# KiCad board conceptpcb.kicad_pcb (continued)
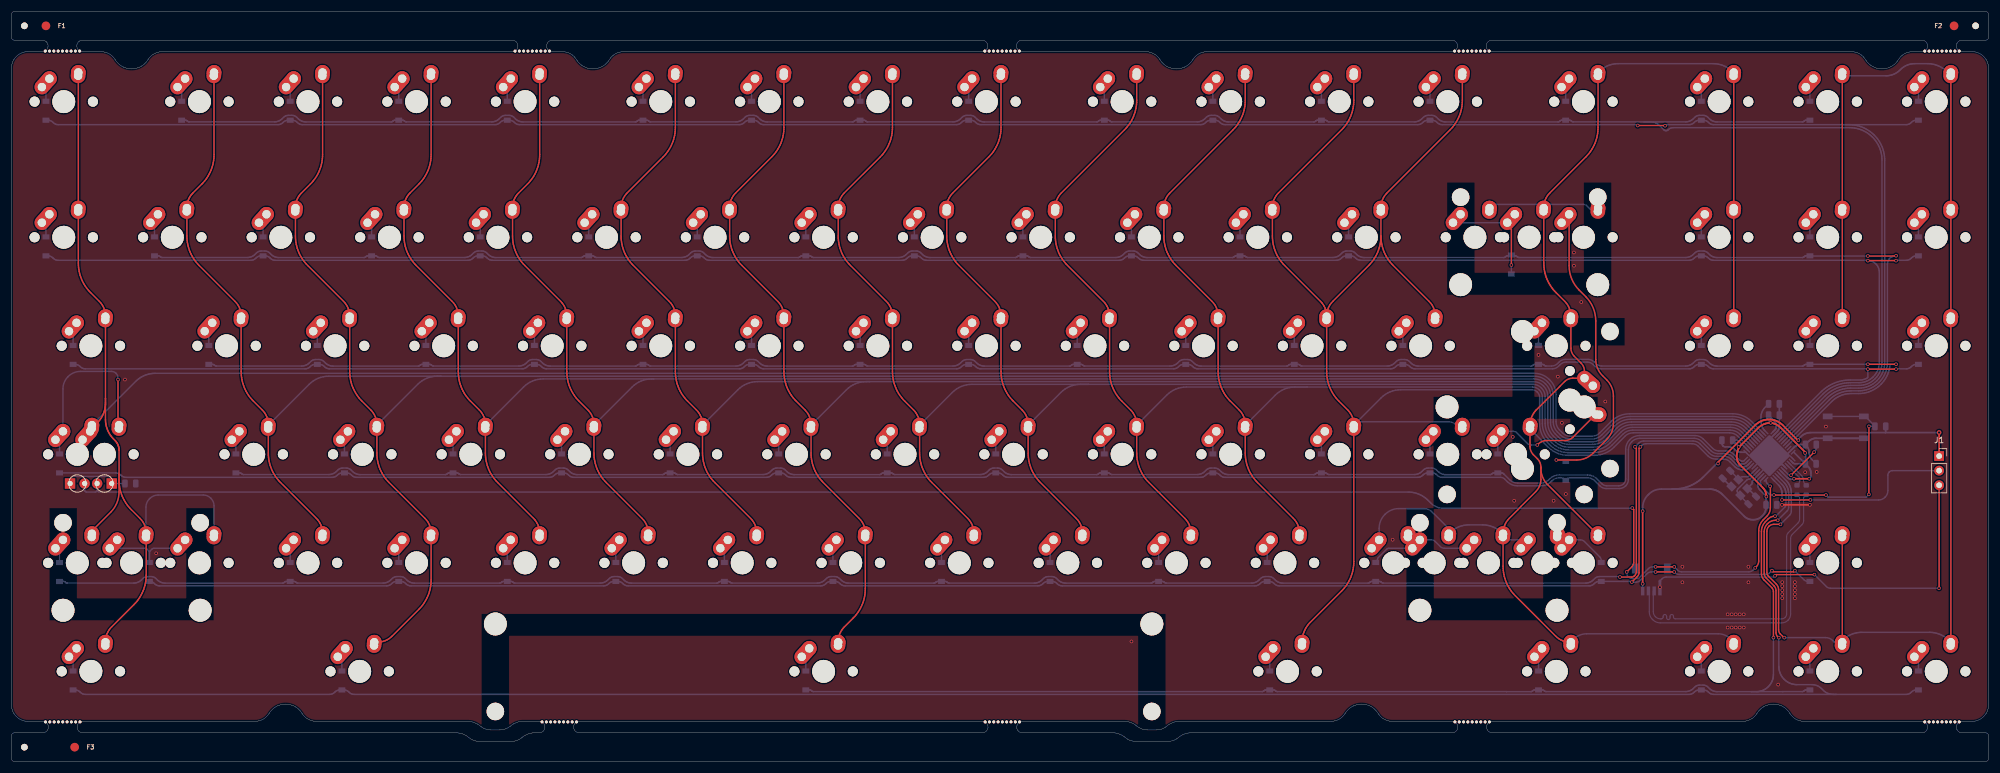
[diagram p0: board, top side]
## Routing (per net, layer and track width the routed paths; a pad name or vN(x,y) marks a point on that pad's centre or on a via; arc(x,y) is an arc through that point) (continued)
col7: length 312.3
  Top w0.25: 266.79,96.38 266.79,86.8 266.8,86.44 266.82,86.09 266.87,85.73 266.93,85.38 267.01,85.04 267.1,84.69 267.21,84.36 267.34,84.02 267.49,83.7 267.65,83.38 267.82,83.07 268.01,82.77 268.22,82.48 268.43,82.2 268.67,81.93 268.91,81.67 270.45,80.13 270.69,79.87 270.9,79.58 271.09,79.28 271.24,78.96 271.36,78.62 271.45,78.28 ; 259.77,40.48 259.86,40.82 259.98,41.16 260.13,41.48 260.31,41.78 260.52,42.07 260.76,42.33 262.31,43.87 262.55,44.13 262.78,44.4 265.41,47.03 arc(266.06,48) 266.29,49.15 266.29,51.29 ; MX_rshift1.2 259.7,34 259.71,33.65 259.74,33.29 259.78,32.94 259.84,32.59 259.92,32.24 260.01,31.9 260.13,31.56 260.25,31.23 260.4,30.9 260.56,30.59 260.73,30.28 260.92,29.98 261.13,29.69 261.35,29.41 261.58,29.14 261.82,28.88 268.86,21.84 269.13,21.6 269.41,21.39 269.72,21.21 270.04,21.06 270.37,20.94 270.72,20.85 ; MX_rtab_1.2 271.52,71.99 arc(271.67,71.22) 272.1,70.58 273.29,69.38 arc(273.73,68.74) 273.88,67.97 MX_enter2.2 271.83,66.76 arc(271.07,66.61) 270.42,66.17 269.64,65.39 269.39,65.14 265.49,61.23 265.25,60.97 265.04,60.68 264.86,60.38 264.7,60.06 264.58,59.72 264.5,59.38 ; MX_enter1.2 264.39,54.85 arc(264.54,54.09) 264.97,53.44 265.7,52.71 arc(266.14,52.06) 266.29,51.29 ; MX47.2 MX31.2 MX15.2 ; 266.29,51.29 266.29,51.06 arc(266.59,49.52) 267.46,48.23 276.2,39.49 ; 266.95,97.52 267.07,97.86 267.22,98.18 267.4,98.48 267.61,98.77 267.85,99.03 274.12,105.3 274.36,105.56 274.6,105.83 274.81,106.11 275.02,106.4 275.21,106.7 275.38,107.01 275.54,107.32 275.69,107.65 275.82,107.98 275.93,108.32 276.02,108.66 276.1,109.01 276.16,109.36 276.21,109.71 276.23,110.07 276.24,110.42 MX14.2
  Bottom w0.25: 266.94,97.03 257.49,97.03 ; 267.42,97.03 273.64,97.03 arc(274.02,96.95) 274.35,96.74 275.28,95.8 ; 299.15,120.59 298.95,120.73 298.75,120.85 298.55,120.97 298.33,121.08 298.12,121.17 297.9,121.26 297.67,121.33 297.44,121.4 297.21,121.45 296.98,121.49 296.74,121.52 296.51,121.53 296.27,121.54 279.78,121.54 279.54,121.53 279.3,121.52 279.07,121.49 278.83,121.45 278.6,121.4 278.37,121.33 278.15,121.26 277.93,121.17 277.71,121.08 277.5,120.97 277.29,120.85 277.09,120.73 ; MX_rshift1.2 260.78,38.6 MX_splitrshiftISO2.1 ; 251.1,40.4 251.31,40.53 251.51,40.64 251.72,40.75 251.94,40.85 252.16,40.93 252.39,41.01 252.61,41.07 252.85,41.12 253.08,41.16 253.31,41.19 253.55,41.21 253.79,41.22 256.11,41.22 256.34,41.21 256.58,41.19 256.82,41.16 257.05,41.12 257.28,41.07 257.51,41.01 257.73,40.93 257.96,40.85 258.17,40.75 258.38,40.64 258.59,40.53 258.79,40.4 258.98,40.26 ; MX_splitrshiftISO1.1 238.12,40.61 arc(238.38,41.92) 239.12,43.02 239.16,43.05 arc(240.26,43.79) 241.56,44.05 245.94,44.05 arc(246.7,43.9) 247.35,43.46 250.21,40.61 ; 264.66,57.67 267.61,54.73 arc(269.16,53.69) 271,53.32 275.61,53.32 arc(277.45,53.69) 279,54.73 280.94,56.66 arc(281.59,57.1) 282.35,57.25 299.16,57.25 arc(299.92,57.1) 300.57,56.66 U1.25 ; 272.1,21.37 arc(273.07,22.02) 274.22,22.25 297.16,22.25 arc(298.31,22.02) 299.28,21.37
col8: length 240.8
  Top w0.25: v1(308.67,21.58) 308.6,21.58 307.97,22.22 arc(307.75,22.54) 307.68,22.93 307.68,29.93 arc(307.57,30.46) 307.26,30.92 305.93,32.26 arc(305.71,32.58) 305.63,32.96 305.63,40.1 arc(305.73,40.56) 305.99,40.95 305.99,40.96 arc(306.38,41.22) 306.84,41.31 v1(308,41.31) ; MX48.2 MX32.2 MX16.2 ; MX17.2 MX33.2 MX49.2 MX84.2 ; MX74.2 MX83.2
  Bottom w0.25: v1(308.67,21.58) 315.85,21.58 arc(316.54,21.45) 317.13,21.06 317.4,20.78 MX83.2 ; 336.82,21.55 336.63,21.69 336.43,21.81 336.22,21.93 336.01,22.04 335.79,22.13 335.57,22.22 335.35,22.29 335.12,22.36 334.89,22.41 334.65,22.45 334.42,22.48 334.18,22.49 333.95,22.5 322.19,22.5 321.95,22.49 321.71,22.48 321.48,22.45 321.25,22.41 321.01,22.36 320.79,22.29 320.56,22.22 320.34,22.13 320.12,22.04 319.91,21.93 319.71,21.81 319.5,21.69 319.31,21.55 ; U1.8 308.97,48.96 309.08,48.85 309.18,48.74 309.28,48.61 309.36,48.49 309.45,48.36 309.52,48.22 309.59,48.09 309.65,47.95 309.71,47.8 309.76,47.66 309.8,47.51 309.83,47.36 309.86,47.21 309.88,47.05 309.89,46.9 309.89,46.75 309.89,43.61 arc(309.82,43.23) 309.6,42.91 v1(308,41.31) ; 336.66,120.44 336.47,120.59 336.28,120.73 336.08,120.85 335.87,120.97 335.66,121.08 335.45,121.17 335.22,121.26 335,121.33 334.77,121.4 334.54,121.45 334.31,121.49 334.07,121.52 333.83,121.53 333.6,121.54 331.38,121.54 331.21,121.54 331.03,121.52 330.86,121.5 330.69,121.47 330.53,121.44 330.36,121.39 330.2,121.34 330.04,121.27 329.88,121.2 329.73,121.13 329.58,121.04 329.43,120.95 329.29,120.85 329.16,120.75 329.03,120.63 328.9,120.51 328.84,120.45 328.71,120.33 328.58,120.22 328.45,120.11 328.31,120.01 328.16,119.92 328.01,119.84 327.86,119.76 327.7,119.69 327.54,119.63 327.38,119.58 327.21,119.53 327.05,119.49 326.88,119.46 326.71,119.44 326.53,119.43 326.36,119.42 MX16.2
D+: length 52.1
  Bottom w0.2: J2.3 285.86,29.56 285.86,26.09 arc(285.95,25.63) 286.21,25.24 286.25,25.2 arc(286.64,24.94) 287.1,24.85 287.28,24.85 arc(287.49,24.94) 287.58,25.15 287.58,25.3 arc(287.66,25.51) 287.88,25.6 arc(288.09,25.51) 288.18,25.3 288.18,25.03 arc(288.26,24.81) 288.48,24.72 arc(288.69,24.81) 288.78,25.03 288.78,25.3 arc(288.86,25.51) 289.08,25.6 arc(289.29,25.51) 289.38,25.3 289.38,25.15 arc(289.46,24.94) 289.68,24.85 308.24,24.85 arc(308.54,24.91) 308.8,25.08 308.84,25.12 arc(309.01,25.38) 309.07,25.69 309.07,39.14 arc(309.15,39.53) 309.36,39.85 311.04,41.53 arc(311.26,41.85) 311.33,42.24 311.33,45.99 R3.2
D-: length 52.1
  Bottom w0.2: J2.2 285.16,29.56 285.16,26.05 arc(285.3,25.36) 285.69,24.77 285.78,24.68 arc(286.37,24.29) 287.06,24.15 308.24,24.15 arc(308.81,24.26) 309.3,24.59 309.33,24.62 arc(309.66,25.11) 309.77,25.69 309.77,38.85 arc(309.85,39.24) 310.06,39.56 311.74,41.24 arc(311.96,41.56) 312.03,41.95 312.03,45.99 R4.2
RGBLED: length 35.6
  Top w0.25: v1(308.28,45.55) v1(313.21,45.55)
  Bottom w0.25: v1(313.21,45.55) 325.08,45.55 arc(325.69,45.67) 326.21,46.02 326.24,46.05 arc(326.58,46.57) 326.7,47.18 326.7,49.87 arc(326.76,50.16) 326.92,50.4 326.97,50.44 arc(327.21,50.6) 327.5,50.66 J1.2 ; U1.11 307.67,48.15 307.74,48.07 307.81,48 307.87,47.92 307.93,47.84 307.98,47.75 308.03,47.66 308.07,47.57 308.11,47.48 308.15,47.39 308.18,47.29 308.21,47.19 308.23,47.1 308.25,47 308.26,46.9 308.27,46.8 308.27,46.7 308.27,45.55 v1(308.28,45.55)
row0: length 393.4
  Top w0.25: v1(283.15,110.77) 287.88,110.77
  Bottom w0.25: 86.68,111.69 86.91,111.67 87.14,111.6 87.35,111.49 87.53,111.34 87.6,111.27 87.78,111.12 87.99,111.01 88.22,110.94 88.45,110.92 126.73,110.92 126.96,110.94 127.19,111.01 127.4,111.12 127.58,111.27 127.65,111.34 127.83,111.49 128.04,111.6 128.27,111.67 128.5,111.69 ; 319.38,110.92 319.95,110.92 320.25,110.91 320.56,110.89 320.86,110.85 321.15,110.8 321.45,110.73 321.74,110.65 322.03,110.56 322.31,110.45 322.58,110.32 322.85,110.19 323.12,110.04 323.37,109.88 323.62,109.7 323.86,109.52 324.09,109.32 324.31,109.11 324.34,109.07 324.55,108.85 324.75,108.63 324.94,108.39 325.11,108.14 325.27,107.89 325.42,107.62 325.56,107.35 325.68,107.08 325.79,106.79 325.88,106.51 325.96,106.22 326.03,105.92 326.08,105.62 326.12,105.32 326.14,105.02 326.15,104.72 326.15,69.53 326.13,69.09 326.06,68.65 325.96,68.23 325.81,67.82 325.62,67.42 325.39,67.04 325.13,66.69 324.84,66.37 324.81,66.34 324.48,66.04 324.13,65.78 323.76,65.56 323.36,65.37 322.95,65.22 322.52,65.11 322.09,65.05 321.65,65.03 320.24,65.03 319.95,65.02 319.67,65 319.39,64.97 319.11,64.92 318.83,64.86 318.55,64.78 318.28,64.69 318.02,64.59 317.76,64.47 317.51,64.34 317.26,64.2 317.02,64.05 316.78,63.89 316.56,63.71 316.35,63.53 316.14,63.33 U1.39 ; 319.38,110.92 296.35,110.92 296.12,110.94 295.89,111.01 295.68,111.12 295.5,111.27 295.43,111.34 295.25,111.49 295.04,111.6 294.81,111.67 294.58,111.69 ; 319.38,110.92 329.9,110.92 330.14,110.94 330.36,111.01 330.57,111.12 330.75,111.27 330.82,111.34 331,111.49 331.21,111.6 331.44,111.67 331.68,111.69 ; 293.88,111.69 293.64,111.67 293.41,111.6 293.2,111.49 293.02,111.34 292.95,111.27 292.77,111.12 292.56,111.01 292.34,110.94 292.1,110.92 288.02,110.92 287.88,110.77 ; 247.33,111.69 247.56,111.67 247.79,111.6 248,111.49 248.18,111.34 248.25,111.27 248.43,111.12 248.64,111.01 248.87,110.94 249.1,110.92 282.9,110.92 283.05,110.77 v1(283.15,110.77) ; 167,111.69 167.24,111.67 167.46,111.6 167.67,111.49 167.85,111.34 167.92,111.27 168.1,111.12 168.31,111.01 168.54,110.94 168.78,110.92 207.05,110.92 207.29,110.94 207.51,111.01 207.72,111.12 207.9,111.27 207.97,111.34 208.15,111.49 208.36,111.6 208.59,111.67 208.83,111.69 ; 48.18,111.69 47.94,111.67 47.71,111.6 47.5,111.49 47.32,111.34 47.25,111.27 47.07,111.12 46.86,111.01 46.64,110.94 46.4,110.92 8.13,110.92 7.89,110.94 7.66,111.01 7.45,111.12 7.27,111.27 7.2,111.34 7.02,111.49 6.81,111.6 6.59,111.67 6.35,111.69 ; 129.2,111.69 129.44,111.67 129.66,111.6 129.87,111.49 130.05,111.34 130.12,111.27 130.3,111.12 130.51,111.01 130.74,110.94 130.98,110.92 164.53,110.92 164.76,110.94 164.99,111.01 165.2,111.12 165.38,111.27 165.45,111.34 165.63,111.49 165.84,111.6 166.07,111.67 166.3,111.69 ; 85.98,111.69 85.74,111.67 85.51,111.6 85.3,111.49 85.12,111.34 85.05,111.27 84.87,111.12 84.66,111.01 84.44,110.94 84.2,110.92 50.65,110.92 50.42,110.94 50.19,111.01 49.98,111.12 49.8,111.27 49.73,111.34 49.55,111.49 49.34,111.6 49.11,111.67 48.88,111.69 ; 209.53,111.69 209.76,111.67 209.99,111.6 210.2,111.49 210.38,111.34 210.45,111.27 210.63,111.12 210.84,111.01 211.07,110.94 211.3,110.92 244.85,110.92 245.09,110.94 245.31,111.01 245.52,111.12 245.7,111.27 245.77,111.34 245.95,111.49 246.16,111.6 246.39,111.67 246.63,111.69
  vias: v1(287.91,110.72)
row1: length 393.4
  Bottom w0.25: D17.1 312.48,111.69 312.38,111.68 312.29,111.65 312.21,111.61 312.13,111.55 312.12,111.53 312.04,111.47 311.96,111.43 311.87,111.4 311.78,111.39 296.98,111.39 296.79,111.4 296.6,111.43 296.41,111.47 296.24,111.54 296.07,111.62 295.9,111.72 295.75,111.83 295.61,111.96 295.38,112.18 295.2,112.33 294.99,112.44 294.77,112.51 294.53,112.54 293.92,112.54 293.69,112.51 293.46,112.44 293.25,112.33 293.07,112.18 292.85,111.97 292.71,111.84 292.56,111.73 292.4,111.63 292.22,111.55 292.05,111.48 291.86,111.44 291.67,111.41 291.49,111.4 284.26,111.4 ; U1.38 315.76,63.66 315.99,63.88 316.22,64.08 316.46,64.27 316.71,64.44 316.97,64.61 317.24,64.76 317.52,64.9 317.8,65.02 318.09,65.13 318.38,65.23 318.68,65.31 318.98,65.38 319.28,65.43 319.59,65.47 319.89,65.49 320.2,65.5 321.69,65.5 322.08,65.52 322.46,65.58 322.83,65.67 323.19,65.8 323.54,65.96 323.87,66.16 324.17,66.39 324.46,66.65 324.53,66.72 324.79,67 325.02,67.31 325.21,67.64 325.38,67.99 325.51,68.35 325.6,68.72 325.66,69.1 325.68,69.48 325.68,104.78 325.67,105.05 325.65,105.33 325.61,105.6 325.57,105.86 325.51,106.13 325.44,106.39 325.35,106.65 325.25,106.91 325.14,107.16 325.02,107.4 324.89,107.64 324.74,107.87 324.58,108.09 324.41,108.3 324.24,108.51 324.05,108.71 323.99,108.76 323.8,108.95 323.59,109.13 323.38,109.3 323.15,109.45 322.92,109.6 322.69,109.73 322.44,109.86 322.19,109.97 321.94,110.06 321.68,110.15 321.42,110.22 321.15,110.28 320.88,110.33 320.61,110.36 320.34,110.38 320.07,110.39 289.31,110.39 289.08,110.37 288.85,110.3 288.64,110.19 288.46,110.04 288.44,110.01 288.36,109.95 288.28,109.91 288.19,109.88 288.1,109.87 288.04,109.87 287.95,109.88 287.86,109.91 287.78,109.95 287.7,110.01 286.92,110.8 286.61,111.05 286.25,111.24 285.87,111.36 285.47,111.4 284.26,111.4 ; 284.26,111.4 271.94,111.4 271.85,111.41 271.76,111.44 271.67,111.48 271.6,111.54 271.59,111.55 271.52,111.61 271.44,111.65 271.34,111.68 271.25,111.69 D15.1 269.95,111.69 269.86,111.68 269.77,111.65 269.68,111.61 269.61,111.55 269.59,111.53 269.52,111.47 269.44,111.43 269.34,111.4 269.25,111.39 249.73,111.39 249.54,111.4 249.35,111.43 249.16,111.47 248.99,111.54 248.82,111.62 248.65,111.72 248.5,111.83 248.36,111.96 248.13,112.18 247.95,112.33 247.74,112.44 247.52,112.51 247.28,112.54 246.67,112.54 246.44,112.51 246.21,112.44 246,112.33 245.82,112.18 245.6,111.97 245.46,111.84 245.31,111.73 245.15,111.63 244.97,111.55 244.8,111.48 244.61,111.44 244.42,111.41 244.23,111.4 229.42,111.4 229.32,111.41 229.23,111.44 229.15,111.48 229.07,111.54 229.07,111.55 228.99,111.61 228.91,111.65 228.82,111.68 228.73,111.69 D13.1 227.43,111.69 227.33,111.68 227.24,111.65 227.16,111.61 227.08,111.55 227.07,111.53 226.99,111.47 226.91,111.43 226.82,111.4 226.73,111.39 211.93,111.39 211.74,111.4 211.55,111.43 211.36,111.47 211.19,111.54 211.02,111.62 210.85,111.72 210.7,111.83 210.56,111.96 210.33,112.18 210.15,112.33 209.94,112.44 209.72,112.51 209.48,112.54 208.87,112.54 208.64,112.51 208.41,112.44 208.2,112.33 208.02,112.18 207.8,111.97 207.66,111.84 207.51,111.73 207.35,111.63 207.17,111.55 207,111.48 206.81,111.44 206.62,111.41 206.44,111.4 191.62,111.4 191.52,111.41 191.43,111.44 191.35,111.48 191.27,111.54 191.27,111.55 191.19,111.61 191.11,111.65 191.02,111.68 190.93,111.69 D11.1 189.63,111.69 189.53,111.68 189.44,111.65 189.36,111.61 189.28,111.55 189.27,111.53 189.19,111.47 189.11,111.43 189.02,111.4 188.93,111.39 169.4,111.39 169.21,111.4 169.02,111.43 168.84,111.47 168.66,111.54 168.49,111.62 168.33,111.72 168.18,111.83 168.03,111.96 167.81,112.18 167.63,112.33 167.42,112.44 167.19,112.51 166.96,112.54 166.35,112.54 166.11,112.51 165.88,112.44 165.68,112.33 165.49,112.18 165.28,111.97 165.14,111.84 164.98,111.73 164.82,111.63 164.65,111.55 164.47,111.48 164.29,111.44 164.1,111.41 163.91,111.4 149.09,111.4 149,111.41 148.91,111.44 148.82,111.48 148.75,111.54 148.74,111.55 148.67,111.61 148.59,111.65 148.49,111.68 148.4,111.69 D9.1 147.1,111.69 147.01,111.68 146.92,111.65 146.83,111.61 146.76,111.55 146.74,111.53 146.67,111.47 146.59,111.43 146.49,111.4 146.4,111.39 131.6,111.39 131.41,111.4 131.22,111.43 131.04,111.47 130.86,111.54 130.69,111.62 130.53,111.72 130.38,111.83 130.23,111.96 130.01,112.18 129.83,112.33 129.62,112.44 129.39,112.51 129.16,112.54 128.55,112.54 128.31,112.51 128.08,112.44 127.88,112.33 127.69,112.18 127.48,111.97 127.34,111.84 127.18,111.73 127.02,111.63 126.85,111.55 126.67,111.48 126.49,111.44 126.3,111.41 126.11,111.4 111.29,111.4 111.2,111.41 111.11,111.44 111.02,111.48 110.95,111.54 110.94,111.55 110.87,111.61 110.79,111.65 110.69,111.68 110.6,111.69 D7.1 109.3,111.69 109.21,111.68 109.12,111.65 109.03,111.61 108.96,111.55 108.94,111.53 108.87,111.47 108.79,111.43 108.69,111.4 108.6,111.39 89.08,111.39 88.89,111.4 88.7,111.43 88.51,111.47 88.34,111.54 88.17,111.62 88,111.72 87.85,111.83 87.71,111.96 87.48,112.18 87.3,112.33 87.09,112.44 86.87,112.51 86.63,112.54 86.02,112.54 85.79,112.51 85.56,112.44 85.35,112.33 85.17,112.18 84.95,111.97 84.81,111.84 84.66,111.73 84.5,111.63 84.32,111.55 84.15,111.48 83.96,111.44 83.77,111.41 83.58,111.4 68.77,111.4 68.67,111.41 68.58,111.44 68.5,111.48 68.42,111.54 68.42,111.55 68.34,111.61 68.26,111.65 68.17,111.68 68.08,111.69 D5.1 66.78,111.69 66.68,111.68 66.59,111.65 66.51,111.61 66.43,111.55 66.42,111.53 66.34,111.47 66.26,111.43 66.17,111.4 66.08,111.39 51.28,111.39 51.09,111.4 50.9,111.43 50.71,111.47 50.54,111.54 50.37,111.62 50.2,111.72 50.05,111.83 49.91,111.96 49.68,112.18 49.5,112.33 49.29,112.44 49.07,112.51 48.83,112.54 48.22,112.54 47.99,112.51 47.76,112.44 47.55,112.33 47.37,112.18 47.15,111.97 47.01,111.84 46.86,111.73 46.7,111.63 46.52,111.55 46.35,111.48 46.16,111.44 45.97,111.41 45.78,111.4 30.97,111.4 30.87,111.41 30.78,111.44 30.7,111.48 30.62,111.54 30.62,111.55 30.54,111.61 30.46,111.65 30.37,111.68 30.28,111.69 D3.1
row2: length 365.9
  Top w0.25: v1(328.13,87.24) v1(323.22,87.24)
  Bottom w0.25: 195.35,88.07 195.59,88.04 195.81,87.97 196.02,87.86 196.2,87.71 196.27,87.64 196.45,87.49 196.66,87.38 196.89,87.31 197.13,87.29 230.68,87.29 230.91,87.31 231.14,87.38 231.35,87.49 231.53,87.64 231.6,87.71 231.78,87.86 231.99,87.97 232.22,88.04 232.45,88.07 ; 331.68,88.07 331.44,88.04 331.21,87.97 331,87.86 330.82,87.71 330.75,87.64 330.57,87.49 330.36,87.38 330.14,87.31 329.9,87.29 328.19,87.29 v1(328.13,87.24) ; 119.05,88.07 118.82,88.04 118.59,87.97 118.38,87.86 118.2,87.71 118.13,87.64 117.95,87.49 117.74,87.38 117.51,87.31 117.28,87.29 83.73,87.29 83.49,87.31 83.26,87.38 83.05,87.49 82.87,87.64 82.8,87.71 82.62,87.86 82.41,87.97 82.19,88.04 81.95,88.07 ; U1.37 315.39,63.99 315.63,64.22 315.88,64.44 316.14,64.64 316.41,64.83 316.69,65.01 316.98,65.18 317.28,65.32 317.58,65.46 317.89,65.58 318.21,65.68 318.52,65.77 318.85,65.84 319.18,65.9 319.5,65.94 319.84,65.97 320.17,65.97 321.67,65.97 322.02,65.99 322.36,66.04 322.69,66.12 323.01,66.24 323.32,66.39 323.62,66.56 323.89,66.77 324.15,67 324.18,67.03 324.41,67.28 324.61,67.56 324.79,67.85 324.94,68.16 325.05,68.49 325.14,68.82 325.19,69.16 325.2,69.5 325.2,85.26 325.19,85.51 325.14,85.77 325.05,86.01 324.94,86.25 324.79,86.46 324.62,86.66 324.43,86.83 324.21,86.97 323.98,87.09 323.73,87.17 323.48,87.22 323.22,87.24 ; 44.15,88.07 44.39,88.04 44.61,87.97 44.82,87.86 45,87.71 45.07,87.64 45.25,87.49 45.46,87.38 45.69,87.31 45.93,87.29 79.48,87.29 79.71,87.31 79.94,87.38 80.15,87.49 80.33,87.64 80.4,87.71 80.58,87.86 80.79,87.97 81.02,88.04 81.25,88.07 ; 194.65,88.07 194.42,88.04 194.19,87.97 193.98,87.86 193.8,87.71 193.73,87.64 193.55,87.49 193.34,87.38 193.11,87.31 192.88,87.29 159.33,87.29 159.09,87.31 158.86,87.38 158.65,87.49 158.47,87.64 158.4,87.71 158.22,87.86 158.01,87.97 157.79,88.04 157.55,88.07 ; 293.88,88.07 293.64,88.04 293.41,87.97 293.2,87.86 293.02,87.71 292.95,87.64 292.77,87.49 292.56,87.38 292.34,87.31 292.1,87.29 234.93,87.29 234.69,87.31 234.46,87.38 234.25,87.49 234.07,87.64 234,87.71 233.82,87.86 233.61,87.97 233.39,88.04 233.15,88.07 ; 6.35,88.07 6.59,88.04 6.81,87.97 7.02,87.86 7.2,87.71 7.27,87.64 7.45,87.49 7.66,87.38 7.89,87.31 8.13,87.29 41.68,87.29 41.91,87.31 42.14,87.38 42.35,87.49 42.53,87.64 42.6,87.71 42.78,87.86 42.99,87.97 43.22,88.04 43.45,88.07 ; 294.58,88.07 294.81,88.04 295.04,87.97 295.25,87.86 295.43,87.71 295.5,87.64 295.68,87.49 295.89,87.38 296.12,87.31 296.35,87.29 323.17,87.29 323.22,87.24 ; 156.85,88.07 156.62,88.04 156.39,87.97 156.18,87.86 156,87.71 155.93,87.64 155.75,87.49 155.54,87.38 155.31,87.31 155.08,87.29 121.53,87.29 121.29,87.31 121.06,87.38 120.85,87.49 120.67,87.64 120.6,87.71 120.42,87.86 120.21,87.97 119.99,88.04 119.75,88.07 ; v1(323.22,87.24) 323.22,87.24
row3: length 352.7
  Top w0.25: v1(323.22,88.04) 328.08,88.04
  Bottom w0.25: D34.1 312.48,88.07 312.38,88.06 312.29,88.03 312.21,87.98 312.13,87.92 312.12,87.91 312.04,87.85 311.96,87.8 311.87,87.77 311.78,87.77 296.98,87.77 296.79,87.77 296.6,87.8 296.41,87.85 296.24,87.91 296.07,87.99 295.9,88.09 295.75,88.2 295.61,88.33 295.38,88.56 295.2,88.71 294.99,88.82 294.77,88.89 294.53,88.91 293.92,88.91 293.69,88.89 293.46,88.82 293.25,88.71 293.07,88.56 292.85,88.34 292.71,88.21 292.56,88.1 292.4,88 292.22,87.92 292.05,87.86 291.86,87.81 291.67,87.78 291.49,87.78 262.49,87.78 262.4,87.78 262.31,87.81 262.22,87.86 262.15,87.92 262.14,87.92 262.07,87.98 261.99,88.03 261.89,88.06 261.8,88.07 260.5,88.07 260.41,88.06 260.32,88.03 260.23,87.98 260.16,87.92 260.14,87.91 260.07,87.85 259.99,87.8 259.89,87.77 259.8,87.77 235.55,87.77 235.36,87.77 235.17,87.8 234.99,87.85 234.81,87.91 234.64,87.99 234.48,88.09 234.33,88.2 234.18,88.33 233.96,88.56 233.78,88.71 233.57,88.82 233.34,88.89 233.11,88.91 232.5,88.91 232.26,88.89 232.03,88.82 231.83,88.71 231.64,88.56 231.43,88.34 231.29,88.21 231.13,88.1 230.97,88 230.8,87.92 230.62,87.86 230.44,87.81 230.25,87.78 230.06,87.78 215.24,87.78 215.15,87.78 215.06,87.81 214.97,87.86 214.9,87.92 214.89,87.92 214.82,87.98 214.74,88.03 214.64,88.06 214.55,88.07 D30.1 213.25,88.07 213.16,88.06 213.07,88.03 212.98,87.98 212.91,87.92 212.89,87.91 212.82,87.85 212.74,87.8 212.64,87.77 212.55,87.77 197.75,87.77 197.56,87.77 197.37,87.8 197.19,87.85 197.01,87.91 196.84,87.99 196.68,88.09 196.53,88.2 196.38,88.33 196.16,88.56 195.98,88.71 195.77,88.82 195.54,88.89 195.31,88.91 194.7,88.91 194.46,88.89 194.23,88.82 194.03,88.71 193.84,88.56 193.63,88.34 193.49,88.21 193.33,88.1 193.17,88 193,87.92 192.82,87.86 192.64,87.81 192.45,87.78 192.26,87.78 177.44,87.78 177.35,87.78 177.26,87.81 177.17,87.86 177.1,87.92 177.09,87.92 177.02,87.98 176.94,88.03 176.84,88.06 176.75,88.07 D28.1 175.45,88.07 175.36,88.06 175.27,88.03 175.18,87.98 175.11,87.92 175.09,87.91 175.02,87.85 174.94,87.8 174.84,87.77 174.75,87.77 159.95,87.77 159.76,87.77 159.57,87.8 159.39,87.85 159.21,87.91 159.04,87.99 158.88,88.09 158.73,88.2 158.58,88.33 158.36,88.56 158.18,88.71 157.97,88.82 157.74,88.89 157.51,88.91 156.9,88.91 156.66,88.89 156.43,88.82 156.23,88.71 156.04,88.56 155.83,88.34 155.69,88.21 155.53,88.1 155.37,88 155.2,87.92 155.02,87.86 154.84,87.81 154.65,87.78 154.46,87.78 139.64,87.78 139.55,87.78 139.46,87.81 139.37,87.86 139.3,87.92 139.29,87.92 139.22,87.98 139.14,88.03 139.04,88.06 138.95,88.07 D26.1 137.65,88.07 137.56,88.06 137.47,88.03 137.38,87.98 137.31,87.92 137.29,87.91 137.22,87.85 137.14,87.8 137.04,87.77 136.95,87.77 122.15,87.77 121.96,87.77 121.77,87.8 121.59,87.85 121.41,87.91 121.24,87.99 121.08,88.09 120.93,88.2 120.78,88.33 120.56,88.56 120.38,88.71 120.17,88.82 119.94,88.89 119.71,88.91 119.1,88.91 118.86,88.89 118.63,88.82 118.43,88.71 118.24,88.56 118.03,88.34 117.89,88.21 117.73,88.1 117.57,88 117.4,87.92 117.22,87.86 117.04,87.81 116.85,87.78 116.66,87.78 101.84,87.78 101.75,87.78 101.66,87.81 101.57,87.86 101.5,87.92 101.49,87.92 101.42,87.98 101.34,88.03 101.24,88.06 101.15,88.07 D24.1 99.85,88.07 99.76,88.06 99.67,88.03 99.58,87.98 99.51,87.92 99.49,87.91 99.42,87.85 99.34,87.8 99.24,87.77 99.15,87.77 84.35,87.77 84.16,87.77 83.97,87.8 83.79,87.85 83.61,87.91 83.44,87.99 83.28,88.09 83.13,88.2 82.98,88.33 82.76,88.56 82.58,88.71 82.37,88.82 82.14,88.89 81.91,88.91 81.3,88.91 81.06,88.89 80.83,88.82 80.63,88.71 80.44,88.56 80.23,88.34 80.09,88.21 79.93,88.1 79.77,88 79.6,87.92 79.42,87.86 79.24,87.81 79.05,87.78 78.86,87.78 64.04,87.78 63.95,87.78 63.86,87.81 63.77,87.86 63.7,87.92 63.69,87.92 63.62,87.98 63.54,88.03 63.44,88.06 63.35,88.07 D22.1 62.05,88.07 61.96,88.06 61.87,88.03 61.78,87.98 61.71,87.92 61.69,87.91 61.62,87.85 61.54,87.8 61.44,87.77 61.35,87.77 46.55,87.77 46.36,87.77 46.17,87.8 45.99,87.85 45.81,87.91 45.64,87.99 45.48,88.09 45.33,88.2 45.18,88.33 44.96,88.56 44.78,88.71 44.57,88.82 44.34,88.89 44.11,88.91 43.5,88.91 43.26,88.89 43.03,88.82 42.83,88.71 42.64,88.56 42.43,88.34 42.29,88.21 42.13,88.1 41.97,88 41.8,87.92 41.62,87.86 41.44,87.81 41.25,87.78 41.06,87.78 26.24,87.78 26.15,87.78 26.06,87.81 25.97,87.86 25.9,87.92 25.89,87.92 25.82,87.98 25.74,88.03 25.64,88.06 25.55,88.07 D20.1 ; v1(323.22,88.04) 313.15,88.04 ; 328.08,88.04 v1(328.13,88.09) 328.12,88.09 327.89,88.07 327.66,88.01 327.44,87.92 327.24,87.8 327.06,87.65 326.91,87.47 326.78,87.27 326.69,87.05 326.64,86.82 326.62,86.59 326.62,69.54 326.61,69.21 326.58,68.89 326.52,68.57 326.45,68.26 326.36,67.95 326.24,67.64 326.11,67.35 325.96,67.06 325.79,66.79 325.6,66.52 325.39,66.27 325.17,66.04 325.14,66.01 324.9,65.78 324.65,65.58 324.39,65.39 324.12,65.22 323.83,65.07 323.53,64.93 323.23,64.82 322.92,64.73 322.61,64.65 322.29,64.6 321.96,64.57 321.64,64.56 320.27,64.56 320.01,64.55 319.75,64.53 319.49,64.5 319.23,64.45 318.98,64.4 318.73,64.33 318.48,64.25 318.24,64.15 318,64.05 317.77,63.93 317.54,63.8 317.32,63.66 317.11,63.51 316.9,63.35 316.7,63.18 316.52,63 U1.40
row4: length 341.1
  Top w0.25: v1(328.13,68.34) v1(323.22,68.34)
  Bottom w0.25: 323.12,68.43 v1(323.22,68.34) 323.22,66.92 323.06,66.76 322.84,66.66 322.56,66.56 322.27,66.48 322.02,66.45 320.13,66.45 319.78,66.44 319.42,66.41 319.07,66.37 318.72,66.31 318.37,66.23 318.03,66.13 317.69,66.02 317.36,65.9 317.04,65.75 316.72,65.59 316.41,65.42 316.11,65.23 315.82,65.02 315.54,64.8 315.27,64.57 315.01,64.33 U1.36 ; v1(328.13,68.34) 328.19,68.39 329.9,68.39 330.14,68.41 330.36,68.48 330.57,68.59 330.75,68.74 330.82,68.81 331,68.96 331.21,69.07 331.44,69.14 331.68,69.17 ; 241.9,69.17 241.67,69.14 241.44,69.07 241.23,68.96 241.05,68.81 240.98,68.74 240.8,68.59 240.59,68.48 240.36,68.41 240.13,68.39 206.58,68.39 206.34,68.41 206.11,68.48 205.9,68.59 205.72,68.74 205.65,68.81 205.47,68.96 205.26,69.07 205.04,69.14 204.8,69.17 ; 323.22,68.34 323.17,68.39 296.35,68.39 296.12,68.41 295.89,68.48 295.68,68.59 295.5,68.74 295.43,68.81 295.25,68.96 295.04,69.07 294.81,69.14 294.58,69.17 ; 204.1,69.17 203.87,69.14 203.64,69.07 203.43,68.96 203.25,68.81 203.18,68.74 203,68.59 202.79,68.48 202.56,68.41 202.33,68.39 168.78,68.39 168.54,68.41 168.31,68.48 168.1,68.59 167.92,68.74 167.85,68.81 167.67,68.96 167.46,69.07 167.24,69.14 167,69.17 ; 91.4,69.17 91.64,69.14 91.86,69.07 92.07,68.96 92.25,68.81 92.32,68.74 92.5,68.59 92.71,68.48 92.94,68.41 93.18,68.39 126.73,68.39 126.96,68.41 127.19,68.48 127.4,68.59 127.58,68.74 127.65,68.81 127.83,68.96 128.04,69.07 128.27,69.14 128.5,69.17 ; 52.9,69.17 52.67,69.14 52.44,69.07 52.23,68.96 52.05,68.81 51.98,68.74 51.8,68.59 51.59,68.48 51.36,68.41 51.13,68.39 12.85,68.39 12.62,68.41 12.39,68.48 12.18,68.59 12,68.74 11.93,68.81 11.75,68.96 11.54,69.07 11.31,69.14 11.08,69.17 ; 293.88,69.17 293.64,69.14 293.41,69.07 293.2,68.96 293.02,68.81 292.95,68.74 292.77,68.59 292.56,68.48 292.34,68.41 292.1,68.39 276.75,68.39 arc(276.18,68.5) 275.69,68.83 275.39,69.13 arc(274.91,69.45) 274.33,69.56 270.7,69.56 arc(270.13,69.45) 269.64,69.13 269.35,68.83 arc(268.86,68.5) 268.29,68.39 244.38,68.39 244.14,68.41 243.91,68.48 243.7,68.59 243.52,68.74 243.45,68.81 243.27,68.96 243.06,69.07 242.84,69.14 242.6,69.17 ; 90.7,69.17 90.47,69.14 90.24,69.07 90.03,68.96 89.85,68.81 89.78,68.74 89.6,68.59 89.39,68.48 89.16,68.41 88.93,68.39 55.38,68.39 55.14,68.41 54.91,68.48 54.7,68.59 54.52,68.74 54.45,68.81 54.27,68.96 54.06,69.07 53.84,69.14 53.6,69.17 ; 129.2,69.17 129.44,69.14 129.66,69.07 129.87,68.96 130.05,68.81 130.12,68.74 130.3,68.59 130.51,68.48 130.74,68.41 130.98,68.39 164.53,68.39 164.76,68.41 164.99,68.48 165.2,68.59 165.38,68.74 165.45,68.81 165.63,68.96 165.84,69.07 166.07,69.14 166.3,69.17